# Altium PCB standos_RPi_view.PcbDoc (part 1 of 3)
Units mm, origin at the board's own origin, x right, y up, seen from the top; angles counter-clockwise.
Board outline 280 x 215 mm, 2 copper layers (Top Layer, Bottom Layer); 107 components, 136 nets, 738 pads, 582 vias.
Unrouted connection lines stored in the file: 90.
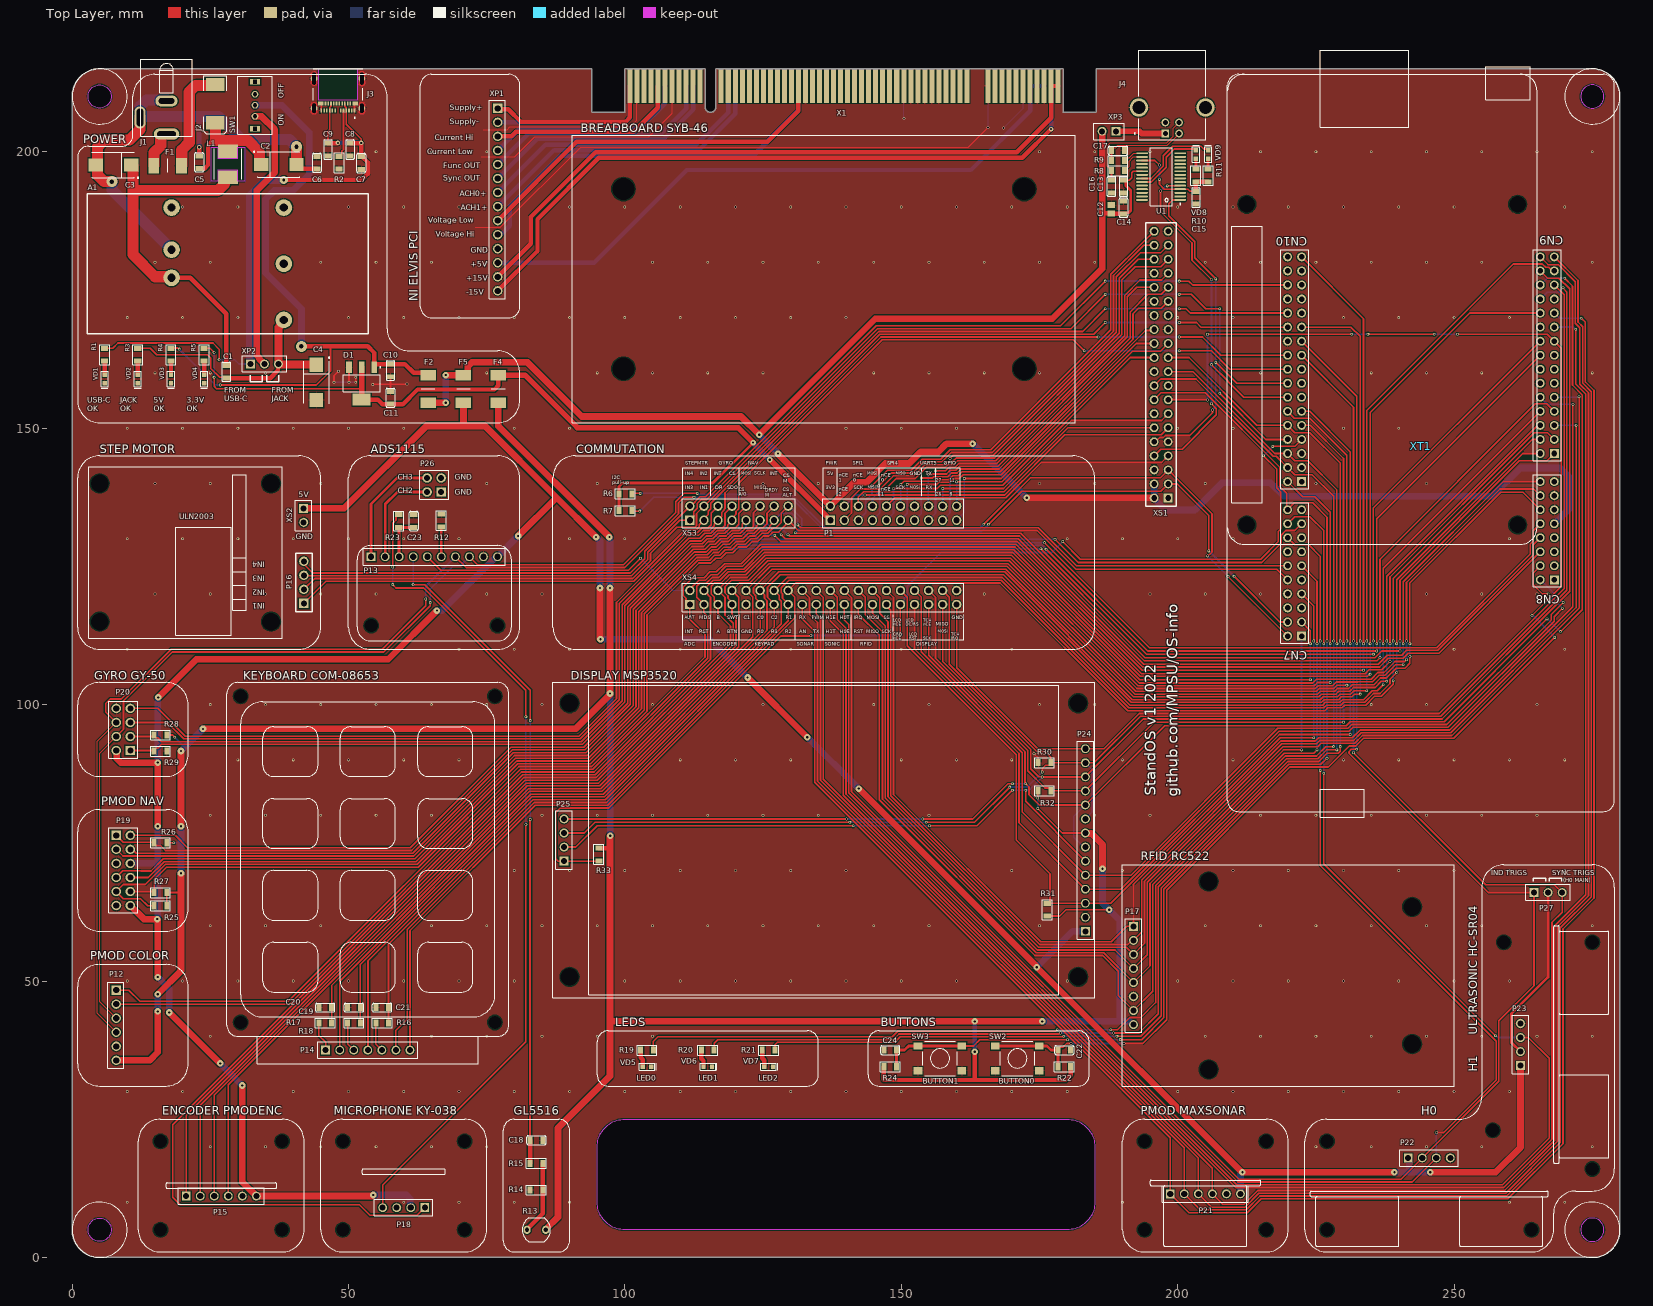
[diagram p0: Top Layer view]
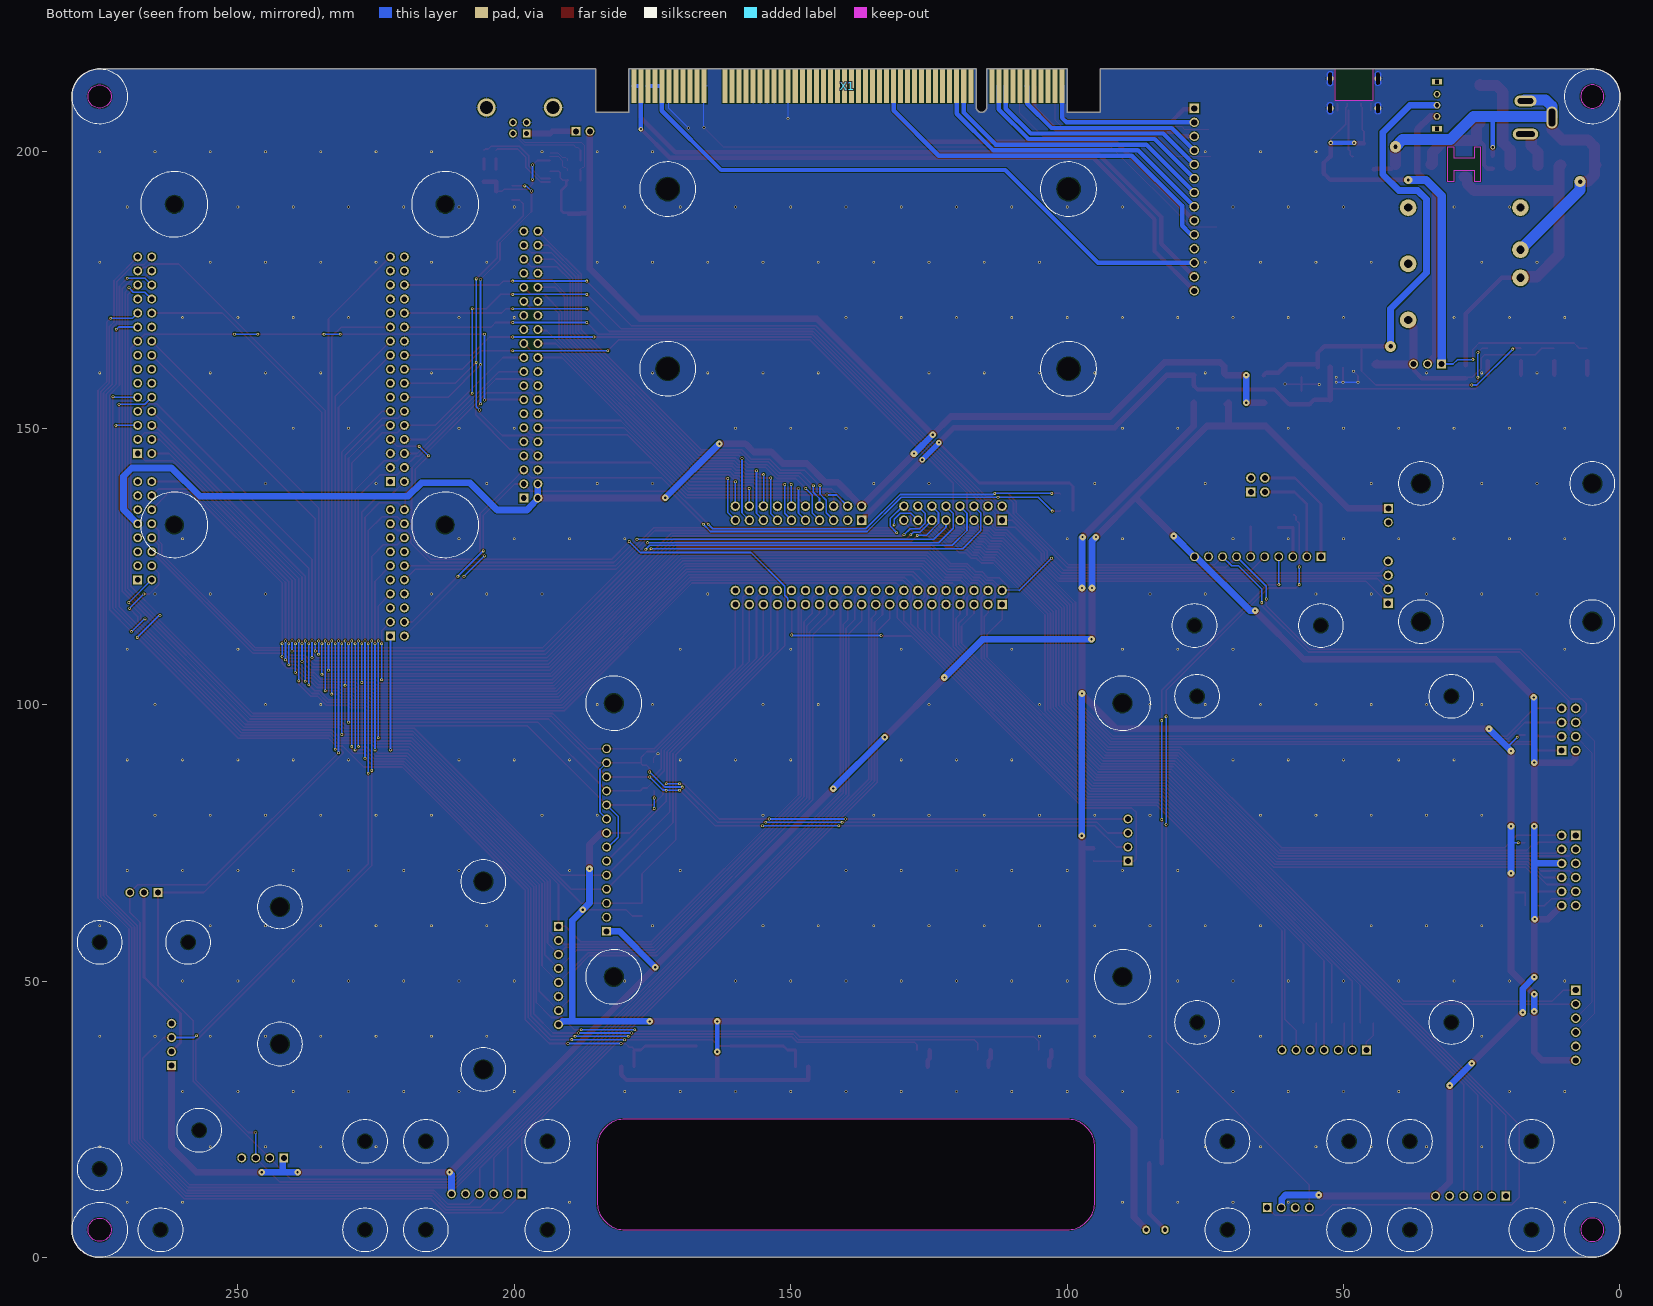
[diagram p1: Bottom Layer view, seen from below]

## Layer stack, top to bottom
Top Solder: solder mask 0.0102, Solder Resist, Dk 3.5
Top Layer: signal copper 0.0356
Dielectric 1: dielectric 0.32, FR-4, Dk 4.8
Bottom Layer: signal copper 0.0356
Bottom Solder: solder mask 0.0102, Solder Resist, Dk 3.5

## Board outline
5,0 cw(c5,5) 0,5 0,210 cw(c5,210) 5,215 94.003,215 94.003,207.13 100.003,207.13 100.003,215 114.537,215 114.537,208.095 ccw(c115.492,208.095) 116.447,208.095 116.447,208.085 116.447,215 179.307,215 179.307,207.13 185.308,207.13 185.308,215 275,215 cw(c275,210) 280,210 280,5 cw(c275,5) 275,0
cut-out: 272.9,210 ccw(c275,210) 275,207.9 ccw(c275,210) 277.1,210 ccw(c275,210) 275,212.1 ccw(c275,210)
cut-out: 272.9,5 ccw(c275,5) 275,2.9 ccw(c275,5) 277.1,5 ccw(c275,5) 275,7.1 ccw(c275,5)
cut-out: 5,2.9 cw(c5,5) 2.9,5 cw(c5,5) 5,7.1 cw(c5,5) 7.1,5 cw(c5,5)
cut-out: 5,207.9 cw(c5,210) 2.9,210 cw(c5,210) 5,212.1 cw(c5,210) 7.1,210 cw(c5,210)
cut-out: 95,10 95,20 cw(c100,20) 100,25 180,25 cw(c180,20) 185,20 185,10 cw(c180,10) 180,5 100,5 cw(c100,10)

## Design rules (kind name [scope] priority, off if disabled: settings)
Clearance [All] p1: gap=0.2 ignorepadtopadclearanceinfootprint=FALSE
ComponentClearance [All] p1: gap=0.254 collisioncheckmode=3 verticalgap=-5 showdistances=FALSE
DiffPairsRouting [All] p1: maxlimit=0.4 minlimit=0.2 mostfreqgap=0.2 toplayer_minwidth=0.2 toplayer_maxwidth=0.4 toplayer_prefwidth=0.2 bottomlayer_minwidth=0.2 bottomlayer_maxwidth=0.4 bottomlayer_prefwidth=0.2 maxuncoupledlength=12.7
HoleSize [All] p1: absolutevalues=TRUE maxlimit=100 minlimit=0.3 maxpercent=80.000 minpercent=20.000
HoleToHoleClearance [All] p1: gap=0.2 allowstackedmicrovias=TRUE
MinimumSolderMaskSliver [All] p1: minsoldermaskwidth=0.1
PlaneConnect [All] p1: planeconnectstyle=Relief reliefexpansion=0.4 reliefentries=4 reliefconductorwidth=0.2 reliefairgap=0.2
PolygonConnect [All] p1: thpad.connectstyle=Relief thpad.reliefconductorwidth=0.2 thpad.reliefentries=4 thpad.polygonreliefangle="90 Angle" thpad.airgapwidth=0.2 smdpad.connectstyle=Relief smdpad.reliefconductorwidth=0.2 smdpad.reliefentries=4 smdpad.polygonreliefangle="90 Angle" smdpad.airgapwidth=0.2 via.connectstyle=Direct via.reliefconductorwidth=0.2 via.reliefentries=4 via.polygonreliefangle="90 Angle" via.airgapwidth=0.2
RoutingVias [All] p1: holewidth=0.3 width=0.5 viastyle="Through Hole" minholewidth=0.3 minwidth=0.5 maxholewidth=10 maxwidth=10
SilkToSilkClearance [All] p1: silktosilkclearance=0.2
SilkToSolderMaskClearance [IsPad] p1: minsilkscreentomaskgap=0.1 clearancetoexposedcopper=TRUE
SolderMaskExpansion [All] p1: expansion=0.102 istentingtop=FALSE
Width [All] p1: maxlimit=2 minlimit=0.15 preferedwidth=0.2
22 further rules are at their usual default settings.

## Classes and differential pairs
component class Power: A1 C1 C2 C3 C4 C5 C6 C7 C8 C9 C10 C11 D1 F1 F2 J1 J2 J3 L1 R1 R2 R3 R4 R5 SW1 VD1 VD2 VD3 VD4 X2 XP2
component class Rangefinders: P21 P22 P23 P27
component class "Inertial systems": P19 P20 R25 R26 R27 R28 R29
component class Display: P24 P25 R31 R32 R33
component class "STM32 Nucleo-144": XT1
component class Commutation: P1 R6 R7 R30 XS3 XS4
component class Peripherals: C18 C19 C20 C21 C22 C23 C24 F4 F5 P12 P13 P14 P15 P16 P17 P18 P26 R12 R13 R14 R15 R16 R17 R18 R19 R20 R21 R22 R23 R24 SW2 SW3 VD5 VD6 VD7 XS2
net class ADC_A[2..3]: ADC_A2 ADC_A3
component class USB: C12 C13 C14 C15 C16 C17 J4 R8 R9 R10 R11 U1 VD8 VD9 XP3
component class "Raspberry Pi4": XS1
component class Elvis_PCI: X1 XP1
differential pair USB_D: +USB_D_P -USB_D_N
differential pair FT_D: +FT_D_P -FT_D_N

## Components (designator, comment, footprint, x,y, rotation, side; value= is the part's Value field where it differs from the comment)
A1 "URB2405LD-20WR3" URB2405LD-20WR3 28.16,179.74 r0 top
C1 "C0805" C0805#1 27.9,160.2 r90 top value=1nF
C2 "293D337X0004D2" 7343 37.4,197.7 r0 top value=330uF
C3 "293D337X0004D2" 7343 7.5,197.6 r180 top value=330uF
C4 "293D477X0004D2" 7343 44.2,158.3 r270 top value=470uF
C5 "C0805" C0805#1 23,198.1 r270 top value=1uF
C6 "C0805" C0805#1 44.3,198 r270 top value=1nF
C7 "Cap Pol3" C0805#1 52.3,197.95 r270 top value=4.7uF
C8 "C0805" C0805#1 50.3,200.4 r90 top value=10nF
C9 "C0805" C0805#1 46.3,200.4 r90 top value=100nF
C10 "C0805" C0805#1 57.6,160.45 r90 top value=100nF
C11 "C0805" C0805#1 57.6,155.5 r270 top value=10uF
C12 "Cap Pol3" C0805#2 188,189.6 r90 top value=4.7uF
C13 "C0805" C0805#1 190.2,193.7 r90 top value=10nF
C14 "C0805" C0805#1 190.2,189.9 r270 top value=100nF
C15 "C0805" C0805#1 203.3,191.7 r90 top value=100nF
C16 "C0805" C0805#1 188,193.7 r90 top value=47pF
C17 "C0805" C0805#1 189.2,200.2 r180 top value=47pF
C18 "C0805" C0805#1 84,21.2 r180 top value=1uF
C19 "C0805" C0805#1 51,45.2 r0 top value=1uF
C20 "C0805" C0805#1 45.8,45.2 r0 top value=1uF
C21 "C0805" C0805#1 56.1,45.2 r0 top value=1uF
C22 "C0805" C0805#1 179.5,37.5 r180 top value=1uF
C23 "C0805" C0805#1 61.8,133.2 r270 top value=47nF
C24 "C0805" C0805#1 148,37.5 r0 top value=1uF
D1 "LD1117" SOT-223 52.4,158.1 r270 top
F1 "5A" FUSC6127X269N 17.3,197.5 r0 top
F2 "3.5A" FUSC6127X269N 64.4,157.1 r270 top
F4 "5V 1A" FUSC6127X269N 77.1,157.1 r270 top
F5 "5V 1A" FUSC6127X269N 70.8,157.1 r270 top
J1 "CONN 16V/1.5A" DS-261 17.1,202.8 r0 top
J2 "SK56" SMC 25.9,208.7 r270 top
J3 "105450-0101" MOLEX_105450-0101 48.1,211.23 r180 top
J4 "USB-B-S-X-X-TH" SAMTEC_USB-B-S-X-X-TH 199,208 r180 top
L1 "ETQP4M4R7YFP" L 23.461,202.061 r270 top
P1 "PBD-20" PBD-20 137.16,133.35 r0 top
P12 "PLS-6" PLS-6 8,48.35 r270 top
P13 "PBS-10" PBS-10 54.102,126.746 r0 top locked
P14 "PBS-7" PBS-7 53.5,37.5 r0 top locked
P15 "PBS-6" PBS-6 27,11.1 r0 top locked
P16 "PLS-4" PLS-4 41.925,118.3 r90 top
P17 "PBS-8" PBS-8 192,51 r270 top locked
P18 "PBS-4" PBS-4 60,9 r90 top locked
P19 "PLD-12" PLD-12 8,76.35 r270 top locked
P20 "PLD-8" PLD-8 10.54,91.69 r90 top locked
P21 "PBS-6" PBS-6 205,11.5 r0 top locked
P22 "PBS-4" PBS-4 245.5,18 r270 top locked
P23 "PBS-4" PBS-4 262,38.5 r0 top
P24 "PBS-14" PBS-14 183.3,58.99 r90 top
P25 "PBS-4" PBS-4 89,75.5 r0 top locked
P26 "PLD-4" PLD-4 66.77,138.46 r90 top
P27 "PLS-3" PLS-3 264.46,66 r270 top
R1 "R0805" R0805 5.9,163.3 r90 top value=330
R2 "R0805" R0805 48.3,198 r270 top value=5K1
R3 "R0805" R0805 11.9,163.3 r90 top value=330
R4 "R0805" R0805 17.9,163.3 r90 top value=330
R5 "R0805" R0805 23.9,163.3 r90 top value=330
R6 "R0805" R0805 100.1,138.1 r0 top value=4K7
R7 "R0805" R0805 100.1,135.1 r0 top value=4K7
R8 "R0805" R0805 189.2,196.6 r180 top value=10
R9 "R0805" R0805 189.2,198.4 r180 top value=10
R10 "R0805" R0805 203.3,195.7 r90 top value=330
R11 "R0805" R0805 205.5,195.7 r90 top value=330
R12 "R0805" R0805 66.8,133.3 r90 top value=10K
R13 "GL5516" GL5516 84,5 r0 top
R14 "R0805" R0805 84,12.2 r0 top value=10K
R15 "R0805" R0805 84,17 r0 top value=1K
R16 "R0805" R0805 56.1,42.4 r0 top value=1K
R17 "R0805" R0805 45.8,42.4 r0 top value=1K
R18 "R0805" R0805 51,42.4 r0 top value=1K
R19 "R0805" R0805 104,37.5 r0 top value=330
R20 "R0805" R0805 115,37.5 r0 top value=330
R21 "R0805" R0805 126,37.5 r0 top value=330
R22 "R0805" R0805 179.5,34.5 r0 top value=10K
R23 "R0805" R0805 59.1,133.2 r270 top value=100
R24 "R0805" R0805 148,34.5 r180 top value=10K
R25 "R0805" R0805 16,63.6 r0 top value=10K
R26 "R0805" R0805 16,75 r0 top value=10K
R27 "R0805" R0805 16,66 r0 top value=10K
R28 "R0805" R0805 16,94.5 r0 top value=100K
R29 "R0805" R0805 16,91.6 r180 top value=100K
R30 "R0805" R0805 175.9,89.5 r0 top value=100K
R31 "R0805" R0805 176.4,62.9 r270 top value=10K
R32 "R0805" R0805 175.9,84.4 r180 top value=10K
R33 "R0805" R0805 95.3,72.9 r90 top value=10K
SW1 "KLS7-SS03-12D02-EG-3.0" switch 33.1,208.4 r90 top
SW2 "430152043826" 430152043826 171,36 r0 top
SW3 "430152043826" 430152043826 157,36 r0 top
U1 "FT232RL-Reel" SSOP-28_N 197,195.5 r180 top
VD1 "TO-1608BC-MRE" TO-1608BC-MRE 5.9,158.9 r270 top
VD2 "TO-1608BC-MYF" TO-1608BC-MYF 11.9,158.9 r270 top
VD3 "TO-1608BC-PG" TO-1608BC-PG 17.9,158.9 r270 top
VD4 "TO-1608BC-BF" TO-1608BC-BF 23.9,158.9 r270 top
VD5 "TO-1608BC-MRE" TO-1608BC-MRE 104,34.5 r0 top
VD6 "TO-1608BC-MYF" TO-1608BC-MYF 115,34.5 r0 top
VD7 "TO-1608BC-PG" TO-1608BC-PG 126,34.5 r0 top
VD8 "TO-1608BC-PG" TO-1608BC-PG 203.3,199.5 r90 top
VD9 "TO-1608BC-BF" TO-1608BC-BF 205.5,199.5 r90 top
X1 "PCI" PCI 178.39,211.89 r0 bottom
XP1 "PLS-14" PLS-14 77,207.86 r270 top
XP2 "PLS-3" PLS-3 32.26,161.6 r270 top
XP3 "Замыкатель MJ-O-8KLS" PLS-2 187.6,203.7 r90 top
XS1 "RPi-J8" RaPi_PLD-40 197,161.5 r180 top locked
XS2 "PLS-4" PLS-2 41.9,134.23 r180 top
XS3 "PBD-16" PBD-16 111.76,133.35 r0 top
XS4 "PBD-40" PBD-40 111.76,118.11 r0 top
XT1 "STM32-NUCLEO-144-ZIO" STM32-NUCLEO-144-ZIO 275.75,112.4 r180 top locked

## Footprints (in the part's own frame and the unit in brackets; to place one, negate y for a bottom-side part, rotate by r counter-clockwise, add the part's x,y. Pads: shape width x height; smd on the part's side, far side on the other; paste and mask are expansions set on the pad)
7343 [mm] "Capacitor, SM Tantalum; Body 7.3 x 4.3 mm (LxW typ)"
  rect 2.6x2.4 smd: 1(-3.2,0) 2(3.2,0)
  silkscreen extent -4.57,-2.3 3.8,2.42
430152043826 [mm] "6*6mm vertical type, SMD, height 4.3mm, white actuator, 260gf, T&R"
  rect 1.55x1.3 smd: 1(-3.975,2.25) 2(-3.975,-2.25) 3(3.975,2.25) 4(3.975,-2.25)
  silkscreen extent -3.1,-3.1 3.1,3.1, body extent -4.5,-3.1 4.5,3.1, height 4.3
C0805#1 [mm] "Chip Capacitor, 2-Leads, Body 2,00x1,25mm, IPC Medium Density"
  rect 0.9x1.3 smd: 1(-1.15,0) 2(1.15,0)
  silkscreen extent -1.75,-0.8 1.75,0.8, body extent -1,-0.63 1,0.64, height 1.32
C0805#2 [mm] "Chip Capacitor, Body 2.0x1.3mm, IPC High Density"
  rect 1.1x1.4 smd: 1(-0.75,0) 2(0.75,0)
  body extent -1.1,-0.72 1.1,0.72, height 1.4
DS-261 [mm]
  oval 4.6x2 hole 1 slot 3.4 at 0 deg: 1(0,0.4)
  oval 4x2 hole 1 slot 2.8 at 0 deg: 2(0,6.4)
  oval 2x4 hole 1.2 slot 3.2 at 90 deg: 3(-4.8,3.4)
  silkscreen extent -4.65,0 4.65,13.9, body extent -4.65,0 4.65,13.9, height 11
FUSC6127X269N [mm]
  rect 1.91x2.8 smd: 1(-2.5,0) 2(2.5,0)
  silkscreen extent 0,-1.24 0,1.24, body extent -3.05,-1.35 3.05,1.35, height 2.69
GL5516 [mm]
  oval 1.3x1.5 hole 0.8 mask+0.05: 1(1.7,0) 2(-1.7,0)
  silkscreen extent -2.55,-2.15 2.55,2.15, body extent -2.55,-2.15 2.55,2.15, height 2.7
L [mm]
  rect 2.5x3.6 smd: 1(1.961,4.739) 2(6.661,4.739)
  Keep-Out Layer region: 7.361,6.539 5.411,6.539 5.411,2.939 7.361,2.939 7.361,1.739 1.261,1.739 1.261,2.939 3.211,2.939 3.211,6.539 1.261,6.539 1.261,7.739 7.361,7.739
  Keep-Out Layer region: 7.361,6.539 5.411,6.539 5.411,2.939 7.361,2.939 7.361,1.739 1.261,1.739 1.261,2.939 3.211,2.939 3.211,6.539 1.261,6.539 1.261,7.739 7.361,7.739
  silkscreen extent 1.56,2.24 7.06,7.24
MOLEX_105450-0101 [mm]
  rect 0.3x0.7 smd: A1(-3,3.77) A2(-2.5,3.77) A3(-2,3.77) A4(-1.5,3.77) A5(-1,3.77) A6(-0.5,3.77) A7(0.5,3.77) A8(1,3.77) A9(1.5,3.77) A10(2,3.77) A11(2.5,3.77) A12(3,3.77) B2(2.25,2.47) B3(1.75,2.47) B4(1.25,2.47) B5(0.75,2.47) B6(0.25,2.47) B7(-0.25,2.47) B8(-0.75,2.47) B9(-1.25,2.47) B10(-1.75,2.47) B11(-2.25,2.47)
  rect 1x0.7 smd: B1(3.1,2.47) B12(-3.1,2.47)
  round 1.2 hole 0.65 slot 1.7 at 90 deg mask+0: S1(-4.32,3.36)
  round 1.2 hole 0.65 slot 1.725 at 90 deg mask+0: S2(4.32,3.36)
  round 1.2 hole 0.65 slot 2.175 at 90 deg mask+0: S3(-4.32,-2) S4(4.32,-2)
  Top Layer region: 4.35,-0.702 4.382,-0.706 4.414,-0.711 4.446,-0.718 4.478,-0.727 4.509,-0.737 4.539,-0.749 4.569,-0.763 4.598,-0.778 4.626,-0.795 4.654,-0.813 4.68,-0.832 4.705,-0.853 4.73,-0.875 4.752,-0.898 4.774,-0.923 4.795,-0.949 4.814,-0.975 4.831,-1.003 4.847,-1.031 4.862,-1.061 4.875,-1.091 4.886,-1.121 4.896,-1.153 4.904,-1.184 4.911,-1.216 4.916,-1.249 4.919,-1.281 4.92,-1.314 4.92,-1.35 4.92,-2.65 4.92,-2.686 4.919,-2.719 4.916,-2.751 4.911,-2.784 4.904,-2.816 4.896,-2.847 4.886,-2.879 4.875,-2.909 4.862,-2.939 4.847,-2.969 4.831,-2.997 4.814,-3.025 4.795,-3.051 4.774,-3.077 4.752,-3.102 4.73,-3.125 4.705,-3.147 4.68,-3.168 4.654,-3.187 4.626,-3.205 4.598,-3.222 4.569,-3.237 4.539,-3.251 4.509,-3.263 4.478,-3.273 4.446,-3.282 4.414,-3.289 4.382,-3.294 4.35,-3.298 4.32,-3.3 4.29,-3.298 4.258,-3.294 4.226,-3.289 4.194,-3.282 4.162,-3.273 4.131,-3.263 4.101,-3.251 4.071,-3.237 4.042,-3.222 4.014,-3.205 3.986,-3.187 3.96,-3.168 3.935,-3.147 3.91,-3.125 3.888,-3.102 3.866,-3.077 3.845,-3.051 3.826,-3.025 3.809,-2.997 3.793,-2.969 3.778,-2.939 3.765,-2.909 3.754,-2.879 3.744,-2.847 3.736,-2.816 3.729,-2.784 3.724,-2.751 3.721,-2.719 3.72,-2.686 3.72,-2.65 3.72,-1.35 3.72,-1.314 3.721,-1.281 3.724,-1.249 3.729,-1.216 3.736,-1.184 3.744,-1.153 3.754,-1.121 3.765,-1.091 3.778,-1.061 3.793,-1.031 3.809,-1.003 3.826,-0.975 3.845,-0.949 3.866,-0.923 3.888,-0.898 3.91,-0.875 3.935,-0.853 3.96,-0.832 3.986,-0.813 4.014,-0.795 4.042,-0.778 4.071,-0.763 4.101,-0.749 4.131,-0.737 4.162,-0.727 4.194,-0.718 4.226,-0.711 4.258,-0.706 4.29,-0.702 4.32,-0.7
  Top Layer region: -4.29,-0.652 -4.258,-0.656 -4.226,-0.661 -4.194,-0.668 -4.162,-0.677 -4.131,-0.687 -4.101,-0.699 -4.071,-0.713 -4.042,-0.728 -4.014,-0.745 -3.986,-0.763 -3.96,-0.782 -3.935,-0.803 -3.91,-0.825 -3.888,-0.848 -3.866,-0.873 -3.845,-0.899 -3.826,-0.925 -3.809,-0.953 -3.793,-0.981 -3.778,-1.011 -3.765,-1.041 -3.754,-1.071 -3.744,-1.103 -3.736,-1.134 -3.729,-1.166 -3.724,-1.199 -3.721,-1.231 -3.72,-1.264 -3.72,-1.3 -3.72,-2.7 -3.72,-2.736 -3.721,-2.769 -3.724,-2.801 -3.729,-2.834 -3.736,-2.866 -3.744,-2.897 -3.754,-2.929 -3.765,-2.959 -3.778,-2.989 -3.793,-3.019 -3.809,-3.047 -3.826,-3.075 -3.845,-3.101 -3.866,-3.127 -3.888,-3.152 -3.91,-3.175 -3.935,-3.197 -3.96,-3.218 -3.986,-3.237 -4.014,-3.255 -4.042,-3.272 -4.071,-3.287 -4.101,-3.301 -4.131,-3.313 -4.162,-3.323 -4.194,-3.332 -4.226,-3.339 -4.258,-3.344 -4.29,-3.348 -4.32,-3.35 -4.35,-3.348 -4.382,-3.344 -4.414,-3.339 -4.446,-3.332 -4.478,-3.323 -4.509,-3.313 -4.539,-3.301 -4.569,-3.287 -4.598,-3.272 -4.626,-3.255 -4.654,-3.237 -4.68,-3.218 -4.705,-3.197 -4.73,-3.175 -4.752,-3.152 -4.774,-3.127 -4.795,-3.101 -4.814,-3.075 -4.831,-3.047 -4.847,-3.019 -4.862,-2.989 -4.875,-2.959 -4.886,-2.929 -4.896,-2.897 -4.904,-2.866 -4.911,-2.834 -4.916,-2.801 -4.919,-2.769 -4.92,-2.736 -4.92,-2.7 -4.92,-1.3 -4.92,-1.264 -4.919,-1.231 -4.916,-1.199 -4.911,-1.166 -4.904,-1.134 -4.896,-1.103 -4.886,-1.071 -4.875,-1.041 -4.862,-1.011 -4.847,-0.981 -4.831,-0.953 -4.814,-0.925 -4.795,-0.899 -4.774,-0.873 -4.752,-0.848 -4.73,-0.825 -4.705,-0.803 -4.68,-0.782 -4.654,-0.763 -4.626,-0.745 -4.598,-0.728 -4.569,-0.713 -4.539,-0.699 -4.509,-0.687 -4.478,-0.677 -4.446,-0.668 -4.414,-0.661 -4.382,-0.656 -4.35,-0.652 -4.32,-0.65
  Top Layer region: 4.351,4.459 4.383,4.457 4.414,4.453 4.445,4.447 4.475,4.44 4.505,4.431 4.535,4.42 4.564,4.408 4.592,4.395 4.62,4.38 4.647,4.363 4.673,4.345 4.698,4.326 4.721,4.306 4.744,4.284 4.766,4.261 4.786,4.238 4.805,4.213 4.823,4.187 4.84,4.16 4.855,4.132 4.868,4.104 4.88,4.075 4.891,4.045 4.9,4.015 4.907,3.985 4.913,3.954 4.917,3.923 4.919,3.891 4.92,3.86 4.92,2.86 4.919,2.829 4.917,2.797 4.913,2.766 4.907,2.735 4.9,2.705 4.891,2.675 4.88,2.645 4.868,2.616 4.855,2.588 4.84,2.56 4.823,2.533 4.805,2.507 4.786,2.482 4.766,2.459 4.744,2.436 4.721,2.414 4.698,2.394 4.673,2.375 4.647,2.357 4.62,2.34 4.592,2.325 4.564,2.312 4.535,2.3 4.505,2.289 4.475,2.28 4.445,2.273 4.414,2.267 4.383,2.263 4.351,2.261 4.32,2.26 4.289,2.261 4.257,2.263 4.226,2.267 4.195,2.273 4.165,2.28 4.135,2.289 4.105,2.3 4.076,2.312 4.048,2.325 4.02,2.34 3.993,2.357 3.967,2.375 3.942,2.394 3.919,2.414 3.896,2.436 3.874,2.459 3.854,2.482 3.835,2.507 3.817,2.533 3.8,2.56 3.785,2.588 3.772,2.616 3.76,2.645 3.749,2.675 3.74,2.705 3.733,2.735 3.727,2.766 3.723,2.797 3.721,2.829 3.72,2.86 3.72,3.86 3.721,3.891 3.723,3.923 3.727,3.954 3.733,3.985 3.74,4.015 3.749,4.045 3.76,4.075 3.772,4.104 3.785,4.132 3.8,4.16 3.817,4.187 3.835,4.213 3.854,4.238 3.874,4.261 3.896,4.284 3.919,4.306 3.942,4.326 3.967,4.345 3.993,4.363 4.02,4.38 4.048,4.395 4.076,4.408 4.105,4.42 4.135,4.431 4.165,4.44 4.195,4.447 4.226,4.453 4.257,4.457 4.289,4.459 4.32,4.46
  Top Layer region: -4.289,4.459 -4.257,4.457 -4.226,4.453 -4.195,4.447 -4.165,4.44 -4.135,4.431 -4.105,4.42 -4.076,4.408 -4.048,4.395 -4.02,4.38 -3.993,4.363 -3.967,4.345 -3.942,4.326 -3.919,4.306 -3.896,4.284 -3.874,4.261 -3.854,4.238 -3.835,4.213 -3.817,4.187 -3.8,4.16 -3.785,4.132 -3.772,4.104 -3.76,4.075 -3.749,4.045 -3.74,4.015 -3.733,3.985 -3.727,3.954 -3.723,3.923 -3.721,3.891 -3.72,3.86 -3.72,2.86 -3.721,2.829 -3.723,2.797 -3.727,2.766 -3.733,2.735 -3.74,2.705 -3.749,2.675 -3.76,2.645 -3.772,2.616 -3.785,2.588 -3.8,2.56 -3.817,2.533 -3.835,2.507 -3.854,2.482 -3.874,2.459 -3.896,2.436 -3.919,2.414 -3.942,2.394 -3.967,2.375 -3.993,2.357 -4.02,2.34 -4.048,2.325 -4.076,2.312 -4.105,2.3 -4.135,2.289 -4.165,2.28 -4.195,2.273 -4.226,2.267 -4.257,2.263 -4.289,2.261 -4.32,2.26 -4.355,2.26 -4.385,2.261 -4.415,2.264 -4.445,2.268 -4.474,2.274 -4.504,2.282 -4.532,2.291 -4.561,2.301 -4.588,2.313 -4.615,2.327 -4.641,2.342 -4.667,2.358 -4.691,2.375 -4.715,2.394 -4.738,2.414 -4.759,2.435 -4.779,2.457 -4.799,2.481 -4.816,2.505 -4.833,2.53 -4.848,2.556 -4.862,2.583 -4.875,2.61 -4.886,2.638 -4.895,2.667 -4.903,2.696 -4.91,2.725 -4.915,2.755 -4.918,2.785 -4.92,2.81 -4.92,3.81 -4.92,3.846 -4.919,3.879 -4.916,3.911 -4.911,3.944 -4.904,3.976 -4.896,4.007 -4.886,4.039 -4.875,4.069 -4.862,4.099 -4.847,4.129 -4.831,4.157 -4.814,4.185 -4.795,4.211 -4.774,4.237 -4.752,4.262 -4.73,4.285 -4.705,4.307 -4.68,4.328 -4.654,4.347 -4.626,4.365 -4.598,4.382 -4.569,4.397 -4.539,4.411 -4.509,4.423 -4.478,4.433 -4.446,4.442 -4.414,4.449 -4.382,4.454 -4.35,4.458 -4.32,4.46
  Bottom Layer region: 4.35,-0.702 4.382,-0.706 4.414,-0.711 4.446,-0.718 4.478,-0.727 4.509,-0.737 4.539,-0.749 4.569,-0.763 4.598,-0.778 4.626,-0.795 4.654,-0.813 4.68,-0.832 4.705,-0.853 4.73,-0.875 4.752,-0.898 4.774,-0.923 4.795,-0.949 4.814,-0.975 4.831,-1.003 4.847,-1.031 4.862,-1.061 4.875,-1.091 4.886,-1.121 4.896,-1.153 4.904,-1.184 4.911,-1.216 4.916,-1.249 4.919,-1.281 4.92,-1.314 4.92,-1.35 4.92,-2.65 4.92,-2.686 4.919,-2.719 4.916,-2.751 4.911,-2.784 4.904,-2.816 4.896,-2.847 4.886,-2.879 4.875,-2.909 4.862,-2.939 4.847,-2.969 4.831,-2.997 4.814,-3.025 4.795,-3.051 4.774,-3.077 4.752,-3.102 4.73,-3.125 4.705,-3.147 4.68,-3.168 4.654,-3.187 4.626,-3.205 4.598,-3.222 4.569,-3.237 4.539,-3.251 4.509,-3.263 4.478,-3.273 4.446,-3.282 4.414,-3.289 4.382,-3.294 4.35,-3.298 4.32,-3.3 4.29,-3.298 4.258,-3.294 4.226,-3.289 4.194,-3.282 4.162,-3.273 4.131,-3.263 4.101,-3.251 4.071,-3.237 4.042,-3.222 4.014,-3.205 3.986,-3.187 3.96,-3.168 3.935,-3.147 3.91,-3.125 3.888,-3.102 3.866,-3.077 3.845,-3.051 3.826,-3.025 3.809,-2.997 3.793,-2.969 3.778,-2.939 3.765,-2.909 3.754,-2.879 3.744,-2.847 3.736,-2.816 3.729,-2.784 3.724,-2.751 3.721,-2.719 3.72,-2.686 3.72,-2.65 3.72,-1.35 3.72,-1.314 3.721,-1.281 3.724,-1.249 3.729,-1.216 3.736,-1.184 3.744,-1.153 3.754,-1.121 3.765,-1.091 3.778,-1.061 3.793,-1.031 3.809,-1.003 3.826,-0.975 3.845,-0.949 3.866,-0.923 3.888,-0.898 3.91,-0.875 3.935,-0.853 3.96,-0.832 3.986,-0.813 4.014,-0.795 4.042,-0.778 4.071,-0.763 4.101,-0.749 4.131,-0.737 4.162,-0.727 4.194,-0.718 4.226,-0.711 4.258,-0.706 4.29,-0.702 4.32,-0.7
  Bottom Layer region: -4.29,-0.652 -4.258,-0.656 -4.226,-0.661 -4.194,-0.668 -4.162,-0.677 -4.131,-0.687 -4.101,-0.699 -4.071,-0.713 -4.042,-0.728 -4.014,-0.745 -3.986,-0.763 -3.96,-0.782 -3.935,-0.803 -3.91,-0.825 -3.888,-0.848 -3.866,-0.873 -3.845,-0.899 -3.826,-0.925 -3.809,-0.953 -3.793,-0.981 -3.778,-1.011 -3.765,-1.041 -3.754,-1.071 -3.744,-1.103 -3.736,-1.134 -3.729,-1.166 -3.724,-1.199 -3.721,-1.231 -3.72,-1.264 -3.72,-1.3 -3.72,-2.7 -3.72,-2.736 -3.721,-2.769 -3.724,-2.801 -3.729,-2.834 -3.736,-2.866 -3.744,-2.897 -3.754,-2.929 -3.765,-2.959 -3.778,-2.989 -3.793,-3.019 -3.809,-3.047 -3.826,-3.075 -3.845,-3.101 -3.866,-3.127 -3.888,-3.152 -3.91,-3.175 -3.935,-3.197 -3.96,-3.218 -3.986,-3.237 -4.014,-3.255 -4.042,-3.272 -4.071,-3.287 -4.101,-3.301 -4.131,-3.313 -4.162,-3.323 -4.194,-3.332 -4.226,-3.339 -4.258,-3.344 -4.29,-3.348 -4.32,-3.35 -4.35,-3.348 -4.382,-3.344 -4.414,-3.339 -4.446,-3.332 -4.478,-3.323 -4.509,-3.313 -4.539,-3.301 -4.569,-3.287 -4.598,-3.272 -4.626,-3.255 -4.654,-3.237 -4.68,-3.218 -4.705,-3.197 -4.73,-3.175 -4.752,-3.152 -4.774,-3.127 -4.795,-3.101 -4.814,-3.075 -4.831,-3.047 -4.847,-3.019 -4.862,-2.989 -4.875,-2.959 -4.886,-2.929 -4.896,-2.897 -4.904,-2.866 -4.911,-2.834 -4.916,-2.801 -4.919,-2.769 -4.92,-2.736 -4.92,-2.7 -4.92,-1.3 -4.92,-1.264 -4.919,-1.231 -4.916,-1.199 -4.911,-1.166 -4.904,-1.134 -4.896,-1.103 -4.886,-1.071 -4.875,-1.041 -4.862,-1.011 -4.847,-0.981 -4.831,-0.953 -4.814,-0.925 -4.795,-0.899 -4.774,-0.873 -4.752,-0.848 -4.73,-0.825 -4.705,-0.803 -4.68,-0.782 -4.654,-0.763 -4.626,-0.745 -4.598,-0.728 -4.569,-0.713 -4.539,-0.699 -4.509,-0.687 -4.478,-0.677 -4.446,-0.668 -4.414,-0.661 -4.382,-0.656 -4.35,-0.652 -4.32,-0.65
  Bottom Layer region: 4.351,4.459 4.383,4.457 4.414,4.453 4.445,4.447 4.475,4.44 4.505,4.431 4.535,4.42 4.564,4.408 4.592,4.395 4.62,4.38 4.647,4.363 4.673,4.345 4.698,4.326 4.721,4.306 4.744,4.284 4.766,4.261 4.786,4.238 4.805,4.213 4.823,4.187 4.84,4.16 4.855,4.132 4.868,4.104 4.88,4.075 4.891,4.045 4.9,4.015 4.907,3.985 4.913,3.954 4.917,3.923 4.919,3.891 4.92,3.86 4.92,2.86 4.919,2.829 4.917,2.797 4.913,2.766 4.907,2.735 4.9,2.705 4.891,2.675 4.88,2.645 4.868,2.616 4.855,2.588 4.84,2.56 4.823,2.533 4.805,2.507 4.786,2.482 4.766,2.459 4.744,2.436 4.721,2.414 4.698,2.394 4.673,2.375 4.647,2.357 4.62,2.34 4.592,2.325 4.564,2.312 4.535,2.3 4.505,2.289 4.475,2.28 4.445,2.273 4.414,2.267 4.383,2.263 4.351,2.261 4.32,2.26 4.289,2.261 4.257,2.263 4.226,2.267 4.195,2.273 4.165,2.28 4.135,2.289 4.105,2.3 4.076,2.312 4.048,2.325 4.02,2.34 3.993,2.357 3.967,2.375 3.942,2.394 3.919,2.414 3.896,2.436 3.874,2.459 3.854,2.482 3.835,2.507 3.817,2.533 3.8,2.56 3.785,2.588 3.772,2.616 3.76,2.645 3.749,2.675 3.74,2.705 3.733,2.735 3.727,2.766 3.723,2.797 3.721,2.829 3.72,2.86 3.72,3.86 3.721,3.891 3.723,3.923 3.727,3.954 3.733,3.985 3.74,4.015 3.749,4.045 3.76,4.075 3.772,4.104 3.785,4.132 3.8,4.16 3.817,4.187 3.835,4.213 3.854,4.238 3.874,4.261 3.896,4.284 3.919,4.306 3.942,4.326 3.967,4.345 3.993,4.363 4.02,4.38 4.048,4.395 4.076,4.408 4.105,4.42 4.135,4.431 4.165,4.44 4.195,4.447 4.226,4.453 4.257,4.457 4.289,4.459 4.32,4.46
  Bottom Layer region: -4.289,4.459 -4.257,4.457 -4.226,4.453 -4.195,4.447 -4.165,4.44 -4.135,4.431 -4.105,4.42 -4.076,4.408 -4.048,4.395 -4.02,4.38 -3.993,4.363 -3.967,4.345 -3.942,4.326 -3.919,4.306 -3.896,4.284 -3.874,4.261 -3.854,4.238 -3.835,4.213 -3.817,4.187 -3.8,4.16 -3.785,4.132 -3.772,4.104 -3.76,4.075 -3.749,4.045 -3.74,4.015 -3.733,3.985 -3.727,3.954 -3.723,3.923 -3.721,3.891 -3.72,3.86 -3.72,2.86 -3.721,2.829 -3.723,2.797 -3.727,2.766 -3.733,2.735 -3.74,2.705 -3.749,2.675 -3.76,2.645 -3.772,2.616 -3.785,2.588 -3.8,2.56 -3.817,2.533 -3.835,2.507 -3.854,2.482 -3.874,2.459 -3.896,2.436 -3.919,2.414 -3.942,2.394 -3.967,2.375 -3.993,2.357 -4.02,2.34 -4.048,2.325 -4.076,2.312 -4.105,2.3 -4.135,2.289 -4.165,2.28 -4.195,2.273 -4.226,2.267 -4.257,2.263 -4.289,2.261 -4.32,2.26 -4.355,2.26 -4.385,2.261 -4.415,2.264 -4.445,2.268 -4.474,2.274 -4.504,2.282 -4.532,2.291 -4.561,2.301 -4.588,2.313 -4.615,2.327 -4.641,2.342 -4.667,2.358 -4.691,2.375 -4.715,2.394 -4.738,2.414 -4.759,2.435 -4.779,2.457 -4.799,2.481 -4.816,2.505 -4.833,2.53 -4.848,2.556 -4.862,2.583 -4.875,2.61 -4.886,2.638 -4.895,2.667 -4.903,2.696 -4.91,2.725 -4.915,2.755 -4.918,2.785 -4.92,2.81 -4.92,3.81 -4.92,3.846 -4.919,3.879 -4.916,3.911 -4.911,3.944 -4.904,3.976 -4.896,4.007 -4.886,4.039 -4.875,4.069 -4.862,4.099 -4.847,4.129 -4.831,4.157 -4.814,4.185 -4.795,4.211 -4.774,4.237 -4.752,4.262 -4.73,4.285 -4.705,4.307 -4.68,4.328 -4.654,4.347 -4.626,4.365 -4.598,4.382 -4.569,4.397 -4.539,4.411 -4.509,4.423 -4.478,4.433 -4.446,4.442 -4.414,4.449 -4.382,4.454 -4.35,4.458 -4.32,4.46
  Keep-Out Layer region: 3.5,-3.77 -3.5,-3.77 -3.5,1.88 3.5,1.88
  silkscreen extent -4.47,-3.77 4.47,5.18
PBD-16 [mm]
  rect 1.7x1.7 hole 1.1: 1(0,0)
  round 1.7 hole 1.1: 2(0,2.54) 3(2.54,0) 4(2.54,2.54) 5(5.08,0) 6(5.08,2.54) 7(7.62,0) 8(7.62,2.54) 9(10.16,0) 10(10.16,2.54) 11(12.7,0) 12(12.7,2.54) 13(15.24,0) 14(15.24,2.54) 15(17.78,0) 16(17.78,2.54)
  silkscreen extent -1.36,-1.33 19.07,3.87, body extent -1.27,-1.23 19.05,3.85, height 8.4
PBD-20 [mm]
  rect 1.7x1.7 hole 1.1: 1(0,0)
  round 1.7 hole 1.1: 2(0,2.54) 3(2.54,0) 4(2.54,2.54) 5(5.08,0) 6(5.08,2.54) 7(7.62,0) 8(7.62,2.54) 9(10.16,0) 10(10.16,2.54) 11(12.7,0) 12(12.7,2.54) 13(15.24,0) 14(15.24,2.54) 15(17.78,0) 16(17.78,2.54) 17(20.32,0) 18(20.32,2.54) 19(22.86,0) 20(22.86,2.54)
  silkscreen extent -1.36,-1.33 24.15,3.87, body extent -1.27,-1.23 24.13,3.85, height 8.4
PBD-40 [mm]
  rect 1.7x1.7 hole 1.1: 1(0,0)
  round 1.7 hole 1.1: 2(0,2.54) 3(2.54,0) 4(2.54,2.54) 5(5.08,0) 6(5.08,2.54) 7(7.62,0) 8(7.62,2.54) 9(10.16,0) 10(10.16,2.54) 11(12.7,0) 12(12.7,2.54) 13(15.24,0) 14(15.24,2.54) 15(17.78,0) 16(17.78,2.54) 17(20.32,0) 18(20.32,2.54) 19(22.86,0) 20(22.86,2.54) 21(25.4,0) 22(25.4,2.54) 23(27.94,0) 24(27.94,2.54) 25(30.48,0) 26(30.48,2.54) 27(33.02,0) 28(33.02,2.54) 29(35.56,0) 30(35.56,2.54) 31(38.1,0) 32(38.1,2.54) 33(40.64,0) 34(40.64,2.54) 35(43.18,0) 36(43.18,2.54) 37(45.72,0) 38(45.72,2.54) 39(48.26,0) 40(48.26,2.54)
  silkscreen extent -1.36,-1.33 49.55,3.87, body extent -1.27,-1.23 49.53,3.85, height 8.4
PBS-4 [mm]
  rect 1.6x1.6 hole 1.1 mask+0.05: 1(0,-3.81)
  round 1.6 hole 1.1 mask+0.05: 2(0,-1.27) 3(0,1.27) 4(0,3.81)
  silkscreen extent -1.5,-5.29 1.5,5.29, body extent -1.27,-5.04 1.27,5.12, height 8.4
PBS-6 [mm] "DS1023-30-1x6"
  rect 1.6x1.6 hole 1.1 mask+0.05: 1(-6.35,0)
  round 1.6 hole 1.1 mask+0.05: 2(-3.81,0) 3(-1.27,0) 4(1.27,0) 5(3.81,0) 6(6.35,0)
  silkscreen extent -7.75,-1.5 7.75,1.5, body extent -7.62,-1.27 7.62,1.27, height 8.4
PBS-7 [mm] "DS1023-30-1x7"
  rect 1.6x1.6 hole 1.1 mask+0.05: 1(-7.62,0)
  round 1.6 hole 1.1 mask+0.05: 2(-5.08,0) 3(-2.54,0) 4(0,0) 5(2.54,0) 6(5.08,0) 7(7.62,0)
  silkscreen extent -9.02,-1.5 9.02,1.5, body extent -8.89,-1.27 8.89,1.27, height 8.4
PBS-8 [mm] "DS1023-30-1x6"
  rect 1.6x1.6 hole 1.1 mask+0.05: 1(-8.89,0)
  round 1.6 hole 1.1 mask+0.05: 2(-6.35,0) 3(-3.81,0) 4(-1.27,0) 5(1.27,0) 6(3.81,0) 7(6.35,0) 8(8.89,0)
  silkscreen extent -10.29,-1.5 10.29,1.5, body extent -10.16,-1.27 10.12,1.27, height 8.4
PBS-10 [mm]
  rect 1.6x1.6 hole 1.1 mask+0.05: 1(0,0)
  round 1.6 hole 1.1 mask+0.05: 2(2.54,0) 3(5.08,0) 4(7.62,0) 5(10.16,0) 6(12.7,0) 7(15.24,0) 8(17.78,0) 9(20.32,0) 10(22.86,0)
  silkscreen extent -1.4,-1.5 24.26,1.5, body extent -1.27,-1.27 24.09,1.27, height 8.4
PBS-14 [mm]
  rect 1.6x1.6 hole 1.1 mask+0.05: 1(0,0)
  round 1.6 hole 1.1 mask+0.05: 2(2.54,0) 3(5.08,0) 4(7.62,0) 5(10.16,0) 6(12.7,0) 7(15.24,0) 8(17.78,0) 9(20.32,0) 10(22.86,0) 11(25.4,0) 12(27.94,0) 13(30.48,0) 14(33.02,0)
  silkscreen extent -1.4,-1.5 34.42,1.5, body extent -1.27,-1.27 34.29,1.27, height 8.4
PCI [mm]
  rect 0.91x6.22 smd: A1(0,0) A2(-1.27,0) A3(-2.54,0) A4(-3.81,0) A5(-5.08,0) A6(-6.35,0) A7(-7.62,0) A8(-8.89,0) A9(-10.16,0) A10(-11.43,0) A11(-12.7,0) A14(-16.51,0) A15(-17.78,0) A16(-19.05,0) A17(-20.32,0) A18(-21.59,0) A19(-22.86,0) A20(-24.13,0) A21(-25.4,0) A22(-26.67,0) A23(-27.94,0) A24(-29.21,0) A25(-30.48,0) A26(-31.75,0) A27(-33.02,0) A28(-34.29,0) A29(-35.56,0) A30(-36.83,0) A31(-38.1,0) A32(-39.37,0) A33(-40.64,0) A34(-41.91,0) A35(-43.18,0) A36(-44.45,0) A37(-45.72,0) A38(-46.99,0) A39(-48.26,0) A40(-49.53,0) A41(-50.8,0) A42(-52.07,0) A43(-53.34,0) A44(-54.61,0) A45(-55.88,0) A46(-57.15,0) A47(-58.42,0) A48(-59.69,0) A49(-60.96,0) A52(-64.77,0) A53(-66.04,0) A54(-67.31,0) A55(-68.58,0) A56(-69.85,0) A57(-71.12,0) A58(-72.39,0) A59(-73.66,0) A60(-74.93,0) A61(-76.2,0) A62(-77.47,0)
  rect 0.91x6.22 smd far side: B1(0,0) B2(-1.27,0) B3(-2.54,0) B4(-3.81,0) B5(-5.08,0) B6(-6.35,0) B7(-7.62,0) B8(-8.89,0) B9(-10.16,0) B10(-11.43,0) B11(-12.7,0) B14(-16.51,0) B15(-17.78,0) B16(-19.05,0) B17(-20.32,0) B18(-21.59,0) B19(-22.86,0) B20(-24.13,0) B21(-25.4,0) B22(-26.67,0) B23(-27.94,0) B24(-29.21,0) B25(-30.48,0) B26(-31.75,0) B27(-33.02,0) B28(-34.29,0) B29(-35.56,0) B30(-36.83,0) B31(-38.1,0) B32(-39.37,0) B33(-40.64,0) B34(-41.91,0) B35(-43.18,0) B36(-44.45,0) B37(-45.72,0) B38(-46.99,0) B39(-48.26,0) B40(-49.53,0) B41(-50.8,0) B42(-52.07,0) B43(-53.34,0) B44(-54.61,0) B45(-55.88,0) B46(-57.15,0) B47(-58.42,0) B48(-59.69,0) B49(-60.96,0) B52(-64.77,0) B53(-66.04,0) B54(-67.31,0) B55(-68.58,0) B56(-69.85,0) B57(-71.12,0) B58(-72.39,0) B59(-73.66,0) B60(-74.93,0) B61(-76.2,0) B62(-77.47,0)
PLD-4 [mm]
  rect 1.7x1.7 hole 1.1: 1(0,0)
  round 1.7 hole 1.1: 2(0,2.54) 3(2.54,0) 4(2.54,2.54)
  silkscreen extent -1.36,-1.33 3.9,3.87, body extent -1.29,-1.26 3.79,3.82, height 8.54
PLD-8 [mm]
  rect 1.7x1.7 hole 1.1: 1(0,0)
  round 1.7 hole 1.1: 2(0,2.54) 3(2.54,0) 4(2.54,2.54) 5(5.08,0) 6(5.08,2.54) 7(7.62,0) 8(7.62,2.54)
  silkscreen extent -1.36,-1.33 8.91,3.87, body extent -1.28,-1.27 8.88,3.81, height 8.54
PLD-12 [mm]
  rect 1.7x1.7 hole 1.1: 1(0,0)
  round 1.7 hole 1.1: 2(0,2.54) 3(2.54,0) 4(2.54,2.54) 5(5.08,0) 6(5.08,2.54) 7(7.62,0) 8(7.62,2.54) 9(10.16,0) 10(10.16,2.54) 11(12.7,0) 12(12.7,2.54)
  silkscreen extent -1.36,-1.33 13.99,3.87, body extent -1.29,-1.26 13.95,3.82, height 8.54
PLS-2 [mm]
  rect 1.6x1.6 hole 1.1: 1(0,-1.27)
  round 1.6 hole 1.1: 2(0,1.27)
  silkscreen extent -1.5,-2.7 1.5,2.8, body extent -1.29,-2.53 1.25,2.55, height 8.54
PLS-3 [mm]
  rect 1.6x1.6 hole 1.1: 1(0,0)
  round 1.6 hole 1.1: 2(0,2.54) 3(0,5.08)
  silkscreen extent -1.5,-1.46 1.4,6.54, body extent -1.29,-1.26 1.25,6.36, height 8.54
PLS-4 [mm]
  rect 1.7x1.7 hole 1.1: 1(0,0)
  round 1.7 hole 1.1: 2(2.54,0) 3(5.08,0) 4(7.62,0)
  silkscreen extent -1.5,-1.5 9.1,1.5, body extent -1.27,-1.27 8.89,1.27, height 9.2
PLS-6 [mm]
  rect 1.7x1.7 hole 1.1: 1(0,0)
  round 1.7 hole 1.1: 2(2.54,0) 3(5.08,0) 4(7.62,0) 5(10.16,0) 6(12.7,0)
  silkscreen extent -1.46,-1.5 14.16,1.4, body extent -1.27,-1.27 13.97,1.27, height 8.54
PLS-14 [mm]
  rect 1.7x1.7 hole 1.1: 1(0,0)
  round 1.7 hole 1.1: 2(2.54,0) 3(5.08,0) 4(7.62,0) 5(10.16,0) 6(12.7,0) 7(15.24,0) 8(17.78,0) 9(20.32,0) 10(22.86,0) 11(25.4,0) 12(27.94,0) 13(30.48,0) 14(33.02,0)
  silkscreen extent -1.46,-1.5 34.48,1.4, body extent -1.27,-1.27 34.29,1.27, height 8.54
R0805 [mm]
  rect 0.9x1.3 smd: 1(-1.15,0) 2(1.15,0)
  silkscreen extent -1.8,-0.9 1.8,0.9, body extent -1.4,-0.62 1.4,0.63, height 0.8
RaPi_PLD-40 [mm]
  rect 1.6x1.6 hole 1.02 mask+0.05: 1(-1.27,24.13)
  round 1.6 hole 1.02 mask+0.05: 2(1.27,24.13) 3(-1.27,21.59) 4(1.27,21.59) 5(-1.27,19.05) 6(1.27,19.05) 7(-1.27,16.51) 8(1.27,16.51) 9(-1.27,13.97) 10(1.27,13.97) 11(-1.27,11.43) 12(1.27,11.43) 13(-1.27,8.89) 14(1.27,8.89) 15(-1.27,6.35) 16(1.27,6.35) 17(-1.27,3.81) 18(1.27,3.81) 19(-1.27,1.27) 20(1.27,1.27) 21(-1.27,-1.27) 22(1.27,-1.27) 23(-1.27,-3.81) 24(1.27,-3.81) 25(-1.27,-6.35) 26(1.27,-6.35) 27(-1.27,-8.89) 28(1.27,-8.89) 29(-1.27,-11.43) 30(1.27,-11.43) 31(-1.27,-13.97) 32(1.27,-13.97) 33(-1.27,-16.51) 34(1.27,-16.51) 35(-1.27,-19.05) 36(1.27,-19.05) 37(-1.27,-21.59) 38(1.27,-21.59) 39(-1.27,-24.13) 40(1.27,-24.13)
  silkscreen extent -2.7,-25.65 2.8,25.65, body extent -2.54,-25.4 2.54,25.4, height 9.2
SAMTEC_USB-B-S-X-X-TH [mm]
  rect 1.408x1.408 hole 0.9: 1(1.25,4.7)
  round 1.408 hole 0.9: 2(-1.25,4.7) 3(-1.25,2.7) 4(1.25,2.7)
  round 3.316 hole 2.3: S1(-6.02,0) S2(6.02,0)
  silkscreen extent -6.05,-10.4 6.85,5.8
SMC [mm] "DO-214-AB/SMC; 2 C-Bend Leads; Body 7.9 x 5.9 mm, inc. leads (LxW)"
  rect 2.4x3.3 smd: 1(-3.475,0) 2(3.475,0)
  silkscreen extent -5.07,-2.05 5.43,2.05
SOT-223 [mm]
  rect 2.15x1 smd: 1(-2.925,2.3) 2(-2.925,0) 3(-2.925,-2.3)
  rect 2.15x3.25 smd: 4(2.925,0)
  silkscreen extent -3.05,-3.35 1.55,3.48, body extent -3.5,-3.25 3.5,3.25, height 1.64
SSOP-28_N [mm] "SOP, 28-Leads, Body 10.2x5.3mm, Pitch 0.65mm, IPC Medium Density"
  oval 2.1x0.35 smd: 1(-3.45,4.225) 2(-3.45,3.575) 3(-3.45,2.925) 4(-3.45,2.275) 5(-3.45,1.625) 6(-3.45,0.975) 7(-3.45,0.325) 8(-3.45,-0.325) 9(-3.45,-0.975) 10(-3.45,-1.625) 11(-3.45,-2.275) 12(-3.45,-2.925) 13(-3.45,-3.575) 14(-3.45,-4.225) 15(3.45,-4.225) 16(3.45,-3.575) 17(3.45,-2.925) 18(3.45,-2.275) 19(3.45,-1.625) 20(3.45,-0.975) 21(3.45,-0.325) 22(3.45,0.325) 23(3.45,0.975) 24(3.45,1.625) 25(3.45,2.275) 26(3.45,2.925) 27(3.45,3.575) 28(3.45,4.225)
  silkscreen extent -3.57,-5.25 2,5.25, body extent -2.8,-5.25 2.8,5.25, height 2
STM32-NUCLEO-144-ZIO [mm]
  rect 1.6x1.6 hole 1: CN7_1(53.34,0) CN8_1(7.62,-10.16) CN9_1(7.62,-33.02) CN10_1(53.34,-27.94)
  round 1.6 hole 1: CN7_2(55.88,0) CN7_3(53.34,-2.54) CN7_4(55.88,-2.54) CN7_5(53.34,-5.08) CN7_6(55.88,-5.08) CN7_7(53.34,-7.62) CN7_8(55.88,-7.62) CN7_9(53.34,-10.16) CN7_10(55.88,-10.16) CN7_11(53.34,-12.7) CN7_12(55.88,-12.7) CN7_13(53.34,-15.24) CN7_14(55.88,-15.24) CN7_15(53.34,-17.78) CN7_16(55.88,-17.78) CN7_17(53.34,-20.32) CN7_18(55.88,-20.32) CN7_19(53.34,-22.86) CN7_20(55.88,-22.86) CN8_2(10.16,-10.16) CN8_3(7.62,-12.7) CN8_4(10.16,-12.7) CN8_5(7.62,-15.24) CN8_6(10.16,-15.24) CN8_7(7.62,-17.78) CN8_8(10.16,-17.78) CN8_9(7.62,-20.32) CN8_10(10.16,-20.32) CN8_11(7.62,-22.86) CN8_12(10.16,-22.86) CN8_13(7.62,-25.4) CN8_14(10.16,-25.4) CN8_15(7.62,-27.94) CN8_16(10.16,-27.94) CN9_2(10.16,-33.02) CN9_3(7.62,-35.56) CN9_4(10.16,-35.56) CN9_5(7.62,-38.1) CN9_6(10.16,-38.1) CN9_7(7.62,-40.64) CN9_8(10.16,-40.64) CN9_9(7.62,-43.18) CN9_10(10.16,-43.18) CN9_11(7.62,-45.72) CN9_12(10.16,-45.72) CN9_13(7.62,-48.26) CN9_14(10.16,-48.26) CN9_15(7.62,-50.8) CN9_16(10.16,-50.8) CN9_17(7.62,-53.34) CN9_18(10.16,-53.34) CN9_19(7.62,-55.88) CN9_20(10.16,-55.88) CN9_21(7.62,-58.42) CN9_22(10.16,-58.42) CN9_23(7.62,-60.96) CN9_24(10.16,-60.96) CN9_25(7.62,-63.5) CN9_26(10.16,-63.5) CN9_27(7.62,-66.04) CN9_28(10.16,-66.04) CN9_29(7.62,-68.58) CN9_30(10.16,-68.58) CN10_2(55.88,-27.94) CN10_3(53.34,-30.48) CN10_4(55.88,-30.48) CN10_5(53.34,-33.02) CN10_6(55.88,-33.02) CN10_7(53.34,-35.56) CN10_8(55.88,-35.56) CN10_9(53.34,-38.1) CN10_10(55.88,-38.1) CN10_11(53.34,-40.64) CN10_12(55.88,-40.64) CN10_13(53.34,-43.18) CN10_14(55.88,-43.18) CN10_15(53.34,-45.72) CN10_16(55.88,-45.72) CN10_17(53.34,-48.26) CN10_18(55.88,-48.26) CN10_19(53.34,-50.8) CN10_20(55.88,-50.8) CN10_21(53.34,-53.34) CN10_22(55.88,-53.34) CN10_23(53.34,-55.88) CN10_24(55.88,-55.88) CN10_25(53.34,-58.42) CN10_26(55.88,-58.42) CN10_27(53.34,-60.96) CN10_28(55.88,-60.96) CN10_29(53.34,-63.5) CN10_30(55.88,-63.5) CN10_31(53.34,-66.04) CN10_32(55.88,-66.04) CN10_33(53.34,-68.58) CN10_34(55.88,-68.58)
  silkscreen extent -3.25,-106 66.75,32.74, body extent 6.31,-69.85 57.11,1.27, height 8.4
switch [mm]
  rect 1x1.8 hole 0.7 square mask+0.05: 0(-4.25,0) 0(4.25,0)
  round 1.2 hole 0.8 mask+0.05: 1(-2,0) 2(0,0) 3(2,0)
  silkscreen extent -5.25,-3.15 5.25,3.1, body extent -4.35,-2.25 4.35,2.25, height 7.33
TO-1608BC-BF [mm] "LED SMD 1608 247мКд, 120°, 468нМ (Blue)"
  rect 0.75x0.8 smd: +(-0.775,0) -(0.775,0)
  silkscreen extent -1.4,-0.65 1.65,0.65, body extent -0.8,-0.4 0.8,0.4, height 0.6
TO-1608BC-MRE [mm] "LED SMD 1608 112мКд, 120°, 630нМ (Ultra Bright Red)"
  rect 0.75x0.8 smd: +(-0.775,0) -(0.775,0)
  silkscreen extent -1.4,-0.65 1.65,0.65, body extent -0.8,-0.4 0.8,0.4, height 0.6
TO-1608BC-MYF [mm] "LED SMD 1608, 247мКд, 120°, 592нМ (High Bright Yellow)"
  rect 0.75x0.8 smd: +(-0.775,0) -(0.775,0)
  silkscreen extent -1.4,-0.65 1.65,0.65, body extent -0.8,-0.4 0.8,0.4, height 0.6
TO-1608BC-PG [mm] "LED SMD 1608 705мКд, 120°, 525нМ (Pure Green)"
  rect 0.75x0.8 smd: +(-0.775,0) -(0.775,0)
  silkscreen extent -1.4,-0.65 1.65,0.65, body extent -0.8,-0.4 0.8,0.4, height 0.6
URB2405LD-20WR3 [mm] "DC/DC, Vin 9-36V, Vout 5V/4A"
  round 3 hole 1.5: 1(-10.16,10.16) 2(-10.16,2.54) 3(-10.16,-2.54) 4(10.16,-10.16) 5(10.16,0) 6(10.16,10.16)
  silkscreen extent -25.4,-12.7 25.4,12.7, body extent -25.4,-12.7 25.4,12.7, height 11.8